# Altium PCB amplifier.PcbDoc (part 1 of 2)
Units mm, origin at the board's own origin, x right, y up, seen from the top; angles counter-clockwise.
Board outline 150 x 200 mm, 2 copper layers (Top Layer, Bottom Layer); 155 components, 78 nets, 357 pads, 31 vias.
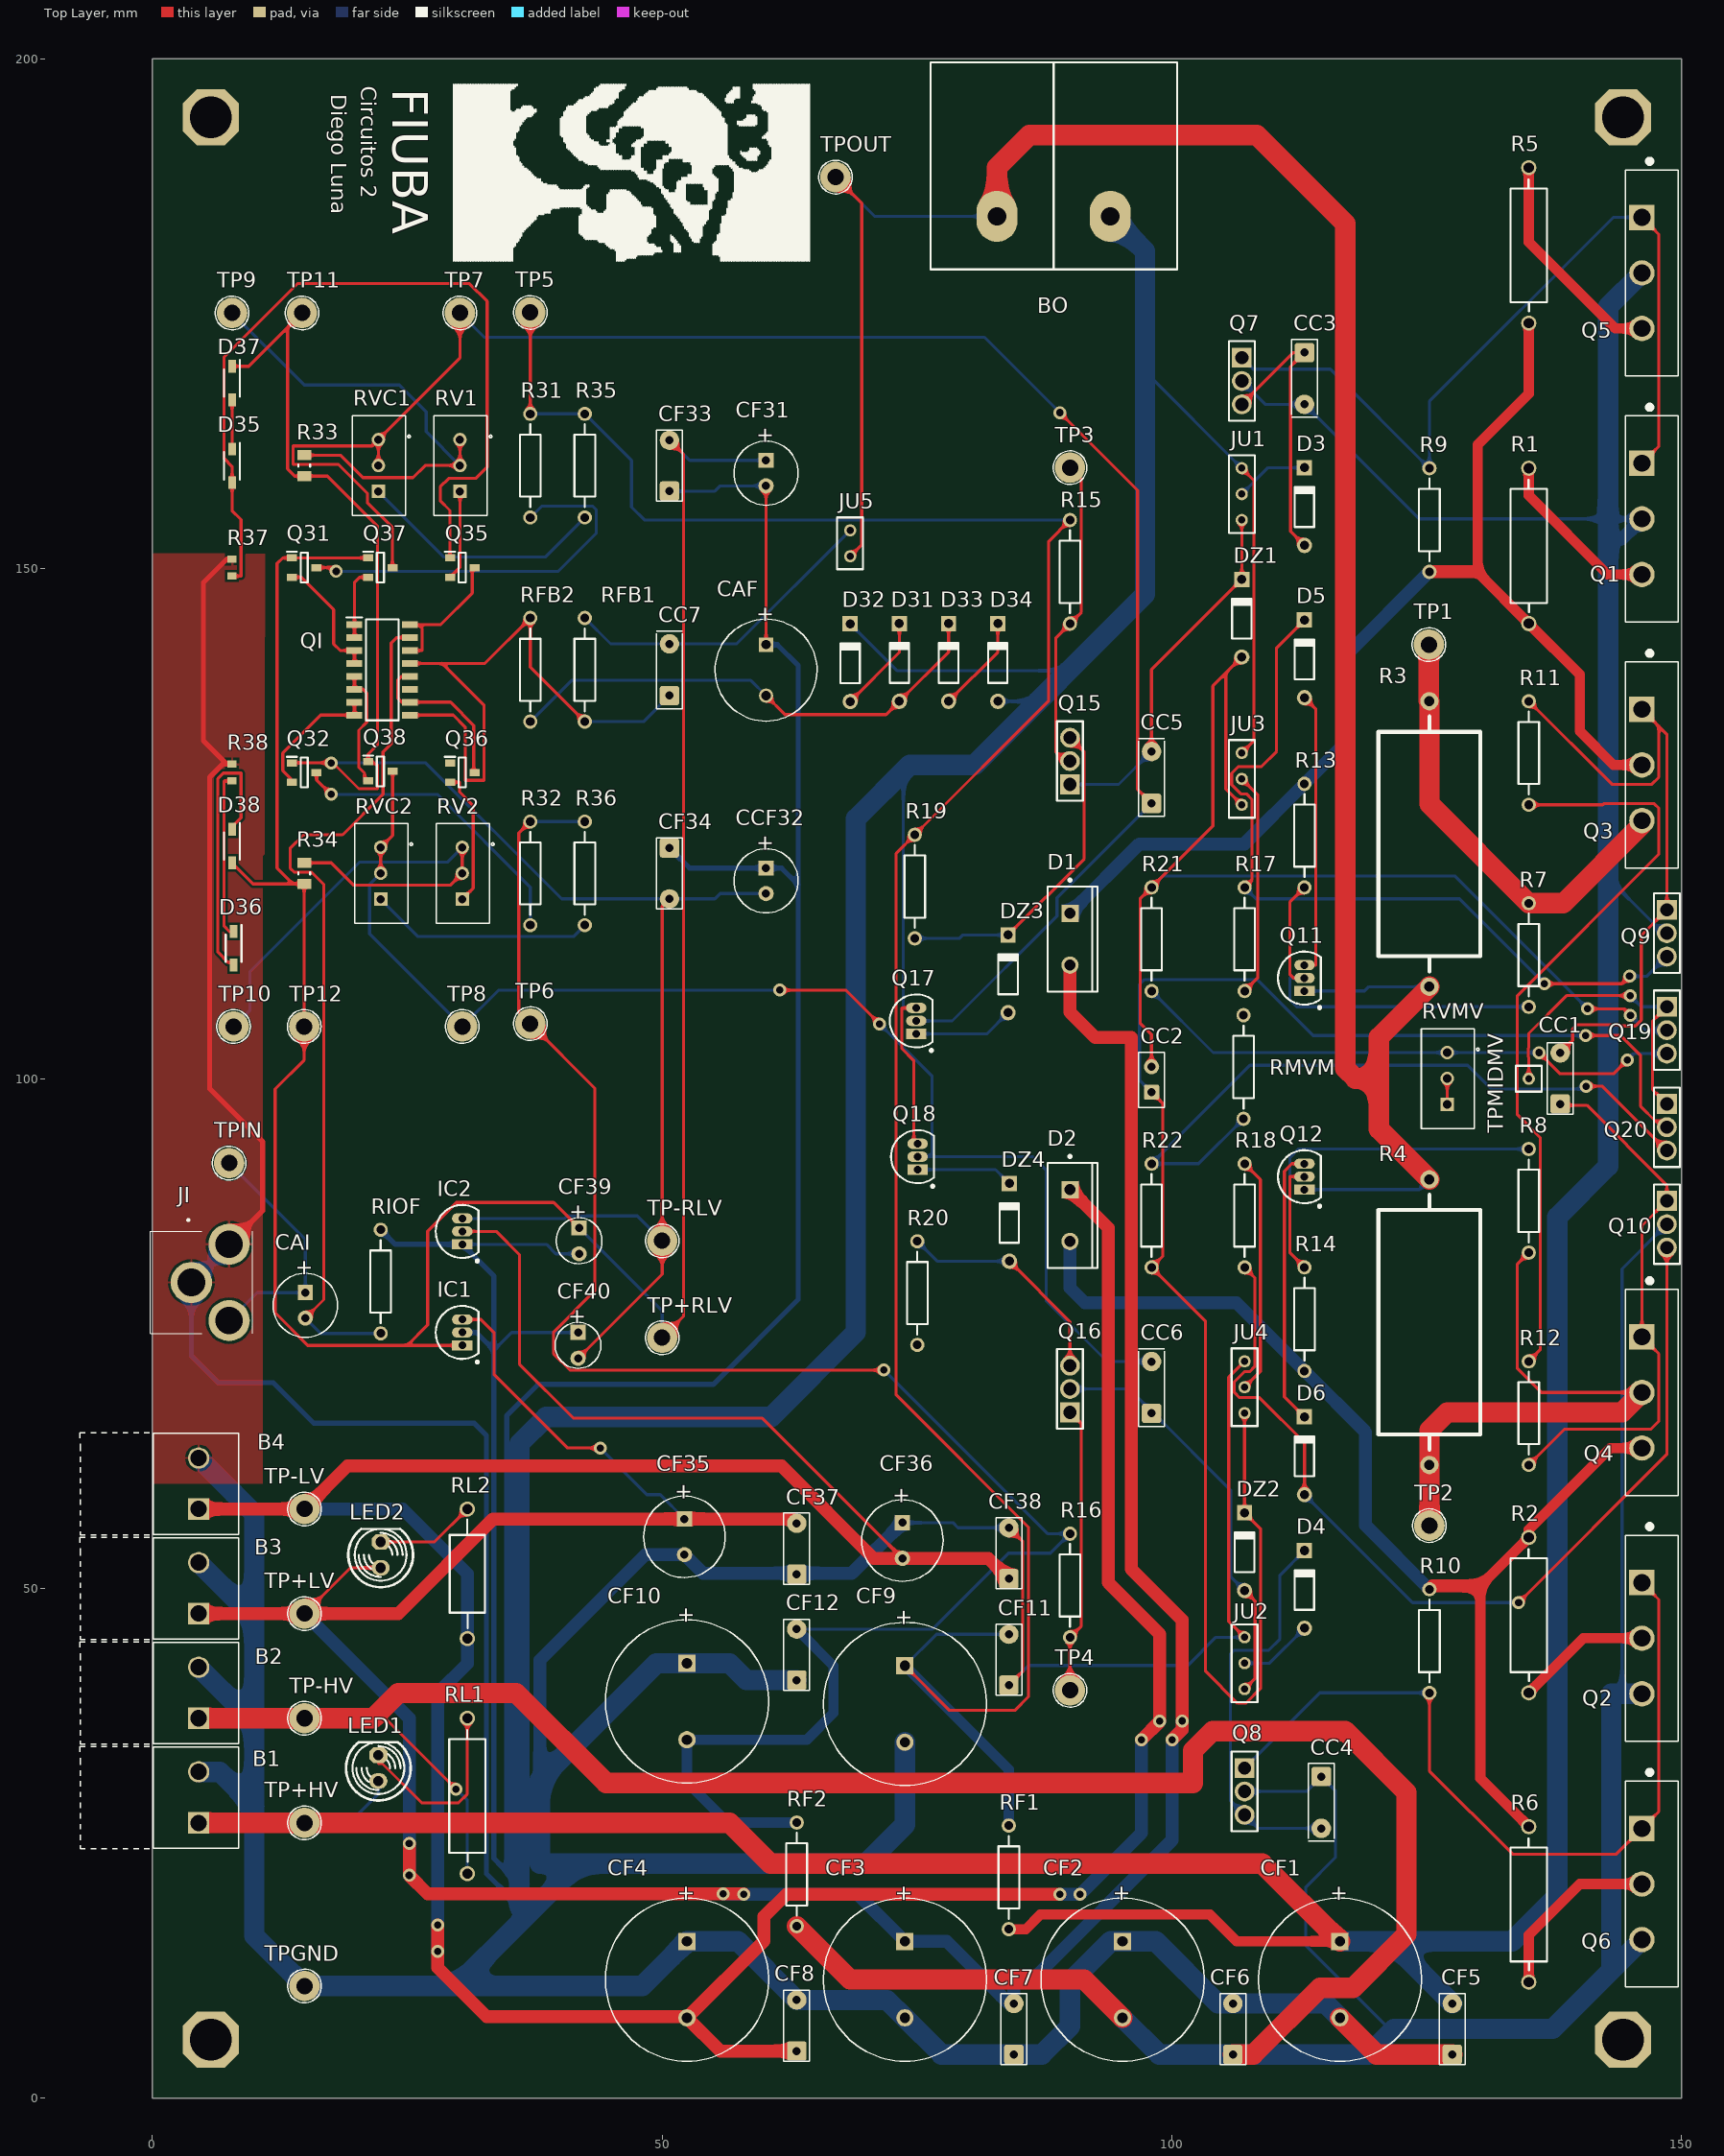
[diagram p0: Top Layer view]
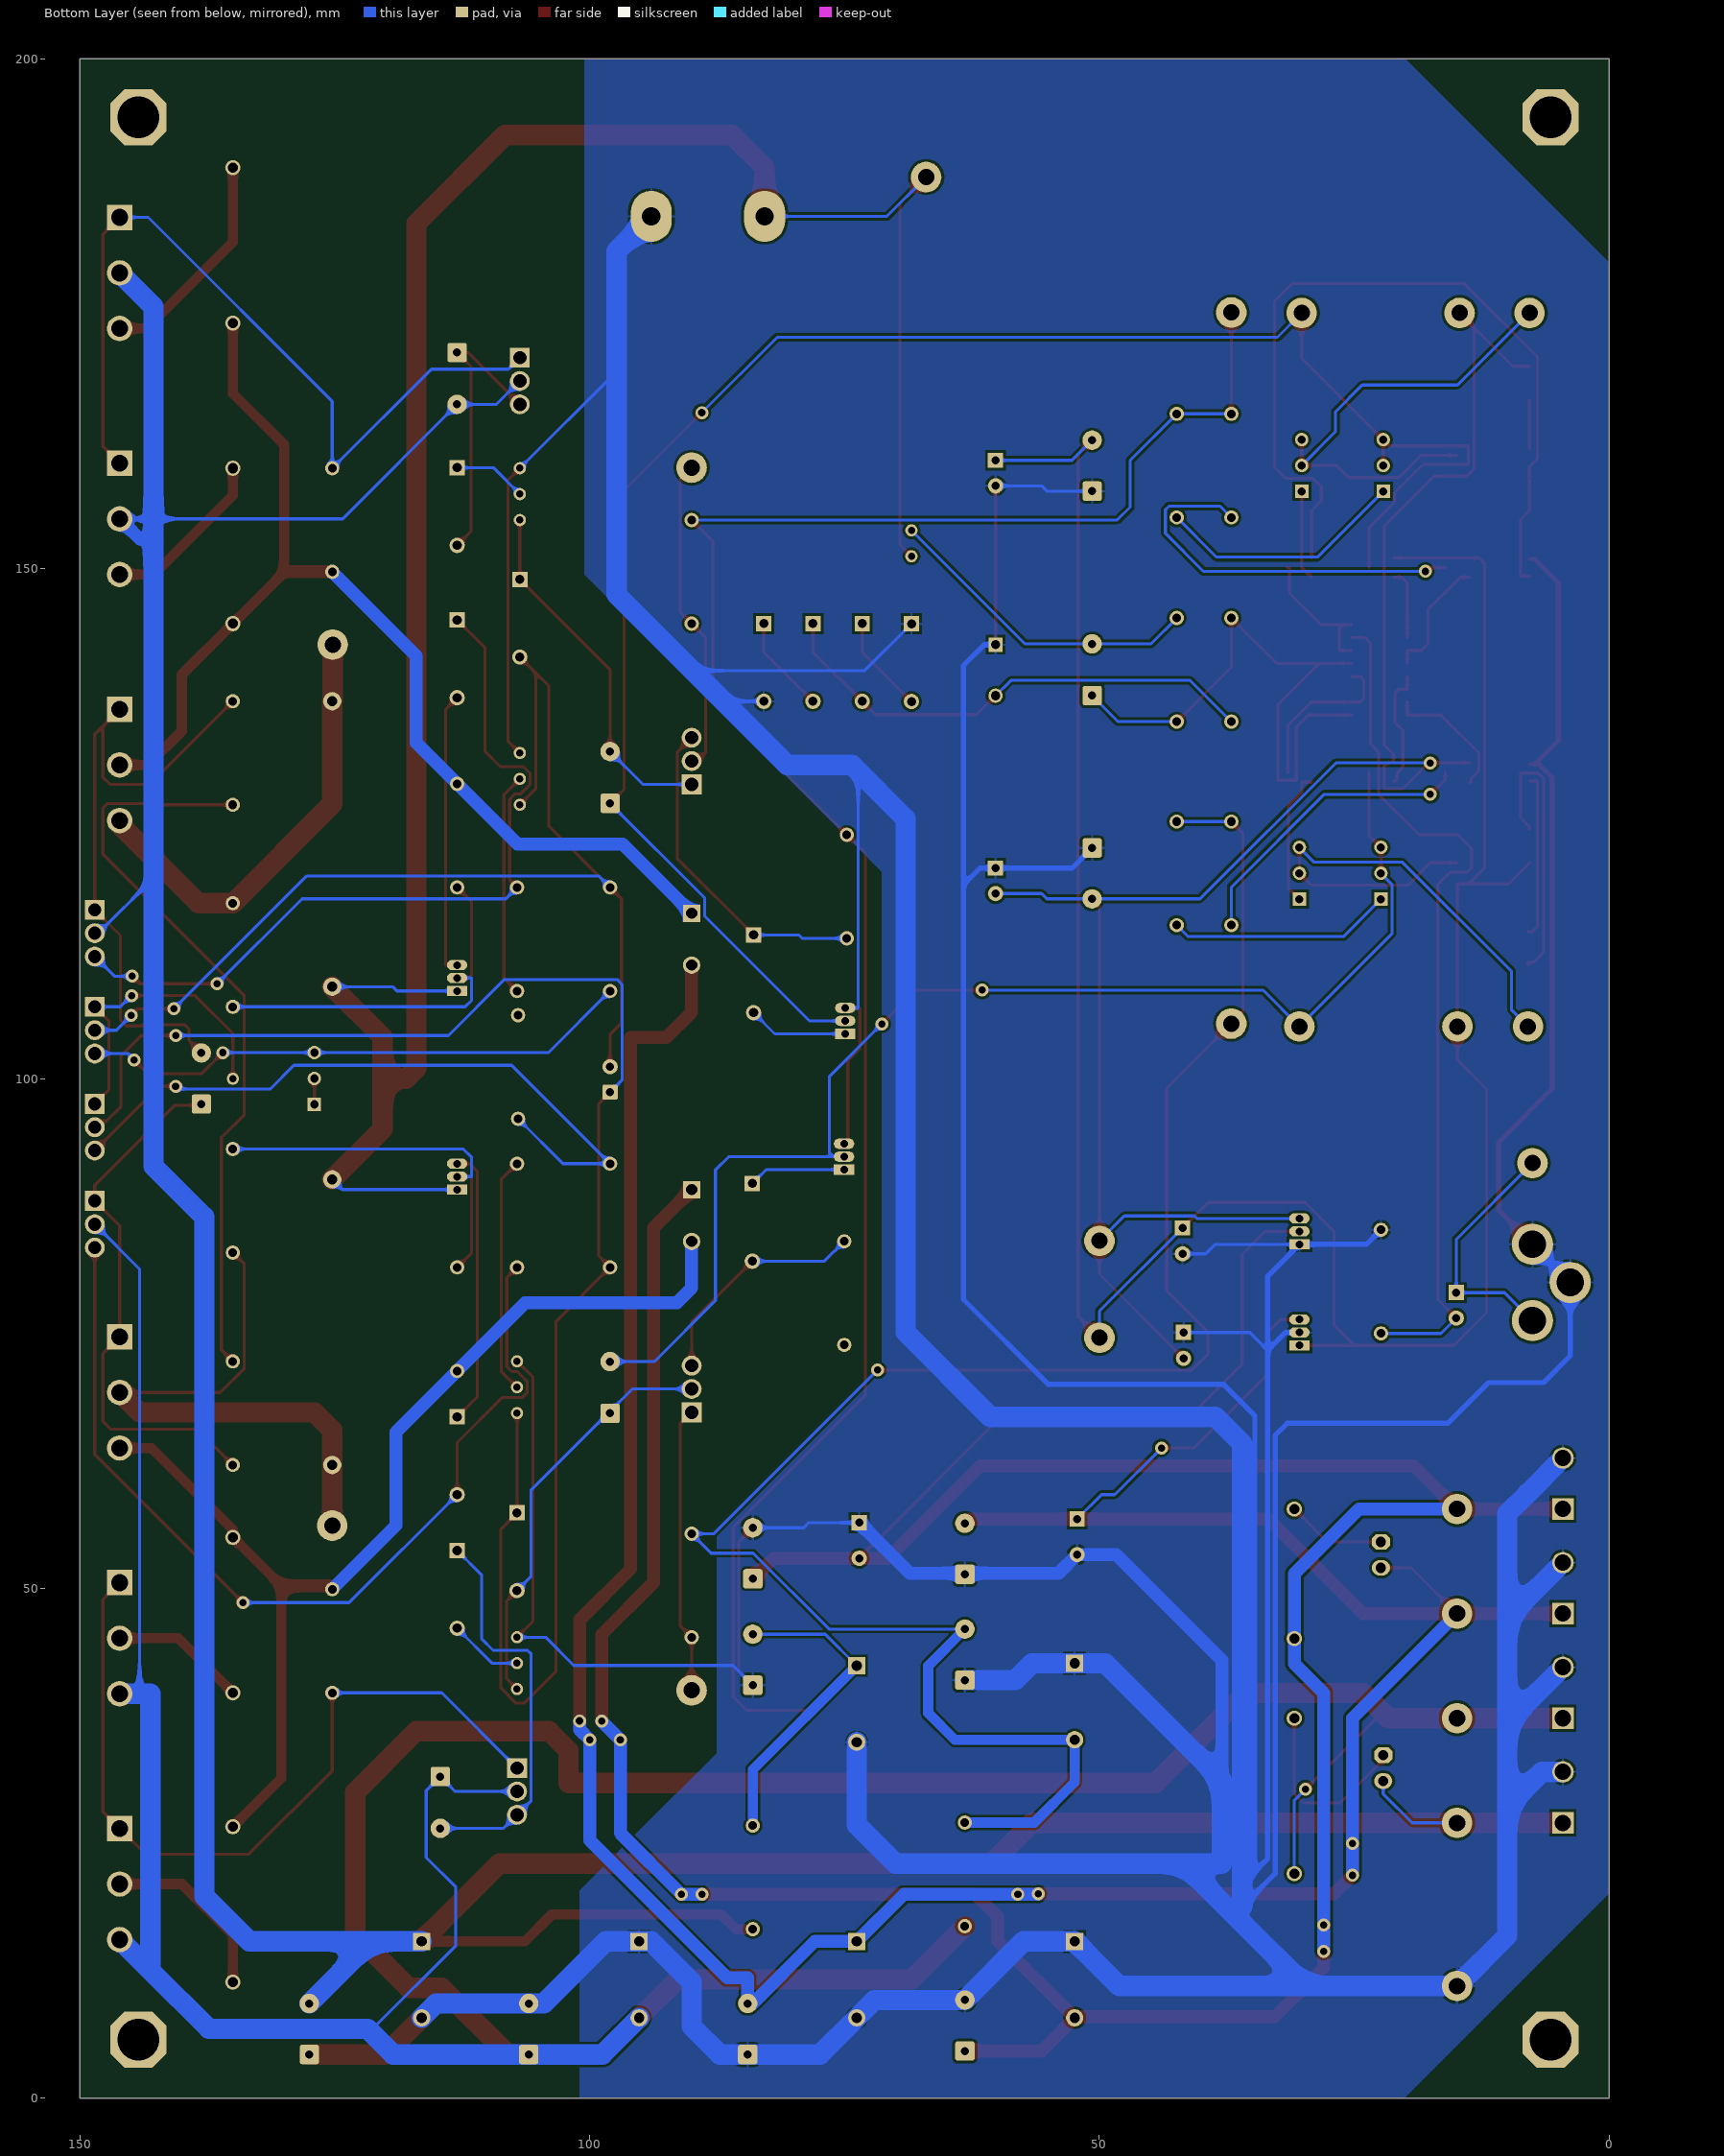
[diagram p1: Bottom Layer view, seen from below]
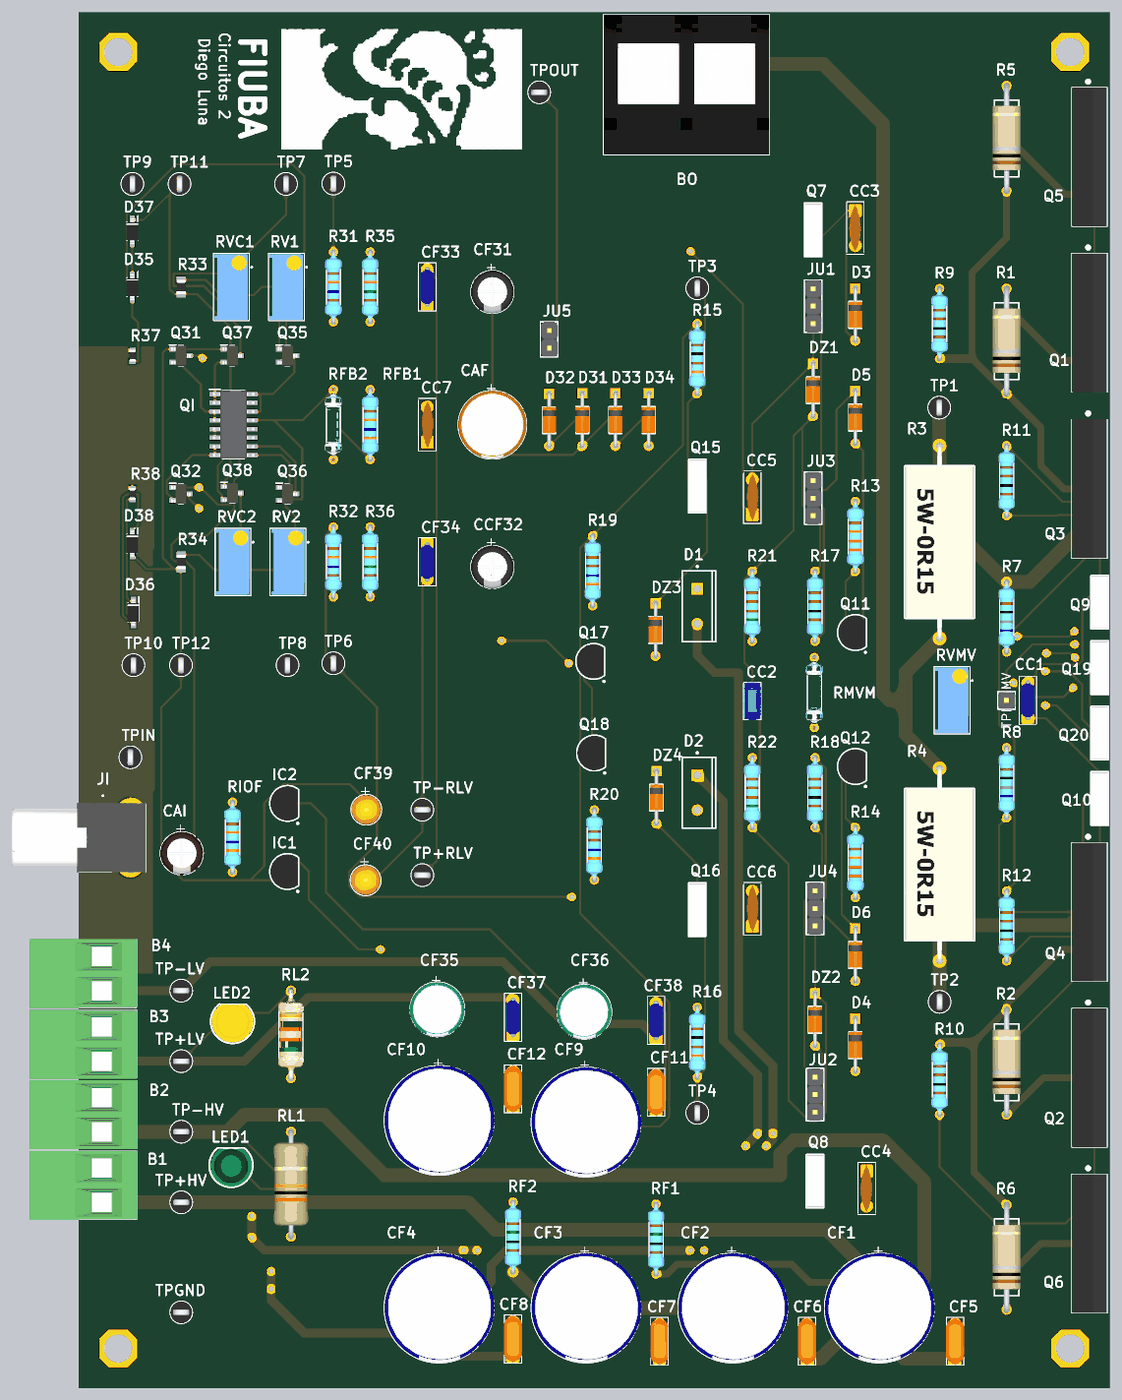
[diagram p3: 3D render of the assembled board from above, using the file's embedded part models]

## Layer stack, top to bottom
Top Solder: solder mask 0.0102, Solder Resist, Dk 3.5
Top Layer: signal copper 0.0356
Dielectric 1: dielectric 0.32, FR-4, Dk 4.8
Bottom Layer: signal copper 0.0356
Bottom Solder: solder mask 0.0102, Solder Resist, Dk 3.5

## Board outline
0,0 0,200 150,200 150,0

## Design rules (kind name [scope] priority, off if disabled: settings)
Clearance [All] p1: gap=0.254 ignorepadtopadclearanceinfootprint=FALSE except(0: Arc-Hole Track-Hole SMDPad-Hole THPad-Hole Via-Hole Fill-Hole Poly-Hole Region-Hole Text-Hole)
Height [All] p1: minheight=0 maxheight=110 prefheight=50
HoleSize HoleSize_Exceptions [InComponent('BO') OR InComponent('JI') OR IsOctagonalPad] p1: absolutevalues=TRUE maxlimit=5 minlimit=0.025 maxpercent=80.000 minpercent=20.000
HoleSize [All] p2: absolutevalues=TRUE maxlimit=2.54 minlimit=0.025 maxpercent=80.000 minpercent=20.000
MinimumSolderMaskSliver MinimumSolderMaskSliver_Exceptions [HasFootprint('TO-92-1') OR HasFootprint('TO-225')] p1: minsoldermaskwidth=0.06
MinimumSolderMaskSliver [All] p2: minsoldermaskwidth=0.254
PolygonConnect [All] p1: connectstyle=Relief reliefconductorwidth=0.254 reliefentries=4 polygonreliefangle="90 Angle" airgapwidth=0.254
RoomDefinition Amplifier [InComponentClass('Amplifier')] p1: confinementstyle=ConfineIn formatcopy=TRUE lockcomponents=FALSE outline -11.15,0 200.675,0 200.675,201.325 -11.15,201.325
RoutingVias [All] p1: holewidth=0.711 width=1.27 viastyle="Through Hole" minholewidth=0.711 minwidth=1.27 maxholewidth=0.711 maxwidth=1.27
SilkToSilkClearance SilkToSilkClearance_Exceptions [OnTopSilkscreen AND IsArc vs OnTopSilkscreen AND IsText AND (StringText = '+')] p1: silktosilkclearance=0.1
SilkToSilkClearance [All] p2: silktosilkclearance=0.254
SilkToSolderMaskClearance SilkToSolderMaskClearance_Exceptions3 [(IsTrack And OnTopSilkscreen) OR (IsPad And OnCopper) vs (IsTrack And OnTopSilkscreen) OR (IsPad And OnCopper)] p1: minsilkscreentomaskgap=0 clearancetoexposedcopper=TRUE
SilkToSolderMaskClearance SilkToSolderMaskClearance_Exceptions2 [HasFootprint('LED_5MM_GREEN') OR HasFootprint('LED_5MM_YELLOW') OR HasFootprint('Tantalum Electrolytic 4.5mmx8.0mmx0.254mm-CLEAN') OR HasFootprint('Cer. pitch 5.0mm height 5.5mm') OR HasFootprint('Cer. pitch 5.08mm height 6.00mm') OR HasFootprint('Cer. pitch 5.0mm height 6.6mm') vs HasFootprint('LED_5MM_GREEN') OR HasFootprint('LED_5MM_YELLOW') OR HasFootprint('Tantalum Electrolytic 4.5mmx8.0mmx0.254mm-CLEAN') OR HasFootprint('Cer. pitch 5.0mm height 5.5mm') OR HasFootprint('Cer. pitch 5.08mm height 6.00mm') OR HasFootprint('Cer. pitch 5.0mm height 6.6mm')] p2: minsilkscreentomaskgap=0 clearancetoexposedcopper=TRUE
SilkToSolderMaskClearance SilkToSolderMaskClearance_Exceptions [HasFootprint('TP-THT-MULTI') vs HasFootprint('TP-THT-MULTI')] p3: minsilkscreentomaskgap=0.08 clearancetoexposedcopper=TRUE
SilkToSolderMaskClearance [IsPad] p4: minsilkscreentomaskgap=0.254 clearancetoexposedcopper=TRUE
SolderMaskExpansion [All] p1: expansion=0.102
Width "L Power route" [(InNet('+LV') OR InNet('-LV') OR InNetClass('L Power route'))] p1 off: maxlimit=3 minlimit=1 preferedwidth=1 minimp=50.000000 maximp=50.000000 favimp=50.000000 // Width of low voltage power
Width "H Output route" [InNetClass('H Out route')] p2 off: maxlimit=5 minlimit=2 preferedwidth=2 minimp=50.000000 maximp=50.000000 favimp=50.000000 // Width of low voltage power
Width "H/2 Output route" [InNetClass('H/2 Out route')] p3 off: maxlimit=2.5 minlimit=1 preferedwidth=1 minimp=50.000000 maximp=50.000000 favimp=50.000000 // Width of low voltage power
Width "H Power route" [(InNet('+HV') OR InNet('-HV') OR InNetClass('H Power route'))] p4 off: maxlimit=5 minlimit=2 preferedwidth=2 minimp=50.000000 maximp=50.000000 favimp=50.000000 // Width of the 12V battery power
Width [All] p5: maxlimit=3 minlimit=0.3 preferedwidth=0.3 minimp=50.000000 maximp=50.000000 favimp=50.000000
25 further rules are at their usual default settings.

## Components (designator, comment, footprint, x,y, rotation, side; value= is the part's Value field where it differs from the comment)
B1 "Bornera +HV" TE-C-282822-2-C-PLUGGED 4.54,29.5 r90 top locked
B2 "Bornera -HV" TE-C-282822-2-C-PLUGGED 4.54,39.76 r90 top locked
B3 "Bornera +LV" TE-C-282822-2-C-PLUGGED 4.54,50.02 r90 top locked
B4 "Bornera -LV" TE-C-282822-2-C-PLUGGED 4.54,60.275 r90 top locked
BO "Bornera de salida a Bafle" "TE 8PCV-02-006" 88.395,188.4 r0 top locked
CAF "Al. Elect. 1000u 16V 20% 105º" "Al. Electrolytic 10.0mmx17.0mmx5.0mm-CLEAN" 60.19,140.046 r270 top locked value=1000µ
CAI "Al. Elect. 47u 35V 20% 105º" "Al. Electrolytic 6.3mmx11.0mmx2.5mm-CLEAN" 15,77.75 r270 top locked value=47µ
CC1 "Cer. 10n 50V 10%" "Cer. pitch 5.0mm height 5.5mm" 138.083,100 r90 top locked value=10n
CC2 "Cer. 6.8n 50V 10%" "Cer. pitch 2.5mm height 5.0mm" 98,99.907 r90 top locked value=6.8n
CC3 "Cer. 68p 50V 10%" "Cer. pitch 5.08mm height 6.00mm" 113,168.65 r270 top locked value=68p
CC4 "Cer. 68p 50V 10%" "Cer. pitch 5.08mm height 6.00mm" 114.65,29 r270 top locked value=68p
CC5 "Cer. 100p 50V 10%" "Cer. pitch 5.08mm height 6.00mm" 98,129.525 r90 top locked value=100p
CC6 "Cer. 100p 50V 10%" "Cer. pitch 5.08mm height 6.00mm" 98,69.7 r90 top locked value=100p
CC7 "Cer. 1.2p 50V 10%" "Cer. pitch 5.08mm height 6.00mm" 50.715,140.086 r90 top locked value=1.2p
CCF32 "Al. Elect. 220u 16V 20% 85º" "Al. Electrolytic 6.3mmx12.0mmx2.5mm-CLEAN" 60.19,119.382 r270 top locked value=220µ
CF1 "Al. Elect. 470u 100V 20% 105º" "Al. Electrolytic 16.0mmx33.0mmx7.5mm-CLEAN" 116.477,11.627 r270 top locked value=470µ
CF2 "Al. Elect. 470u 100V 20% 105º" "Al. Electrolytic 16.0mmx33.0mmx7.5mm-CLEAN" 95.153,11.627 r270 top locked value=470µ
CF3 "Al. Elect. 470u 100V 20% 105º" "Al. Electrolytic 16.0mmx33.0mmx7.5mm-CLEAN" 73.808,11.627 r270 top locked value=470µ
CF4 "Al. Elect. 470u 100V 20% 105º" "Al. Electrolytic 16.0mmx33.0mmx7.5mm-CLEAN" 52.433,11.627 r270 top locked value=470µ
CF5 "Poly. 100n 100V 10%" "Cer. pitch 5.0mm height 6.6mm" 127.5,6.787 r90 top locked value=100n
CF6 "Poly. 100n 100V 10%" "Cer. pitch 5.0mm height 6.6mm" 105.977,6.787 r90 top locked value=100n
CF7 "Poly. 100n 100V 10%" "Cer. pitch 5.0mm height 6.6mm" 84.5,6.787 r90 top locked value=100n
CF8 "Poly. 100n 100V 10%" "Cer. pitch 5.0mm height 6.6mm" 63.2,7.127 r90 top locked value=100n
CF9 "Al. Elect. 470u 100V 20% 105º" "Al. Electrolytic 16.0mmx33.0mmx7.5mm-CLEAN" 73.808,38.66 r270 top locked value=470µ
CF10 "Al. Elect. 470u 100V 20% 105º" "Al. Electrolytic 16.0mmx33.0mmx7.5mm-CLEAN" 52.433,38.9 r270 top locked value=470µ
CF11 "Poly. 100n 100V 10%" "Cer. pitch 5.0mm height 6.6mm" 84,43 r90 top locked value=100n
CF12 "Poly. 100n 100V 10%" "Cer. pitch 5.0mm height 6.6mm" 63.2,43.5 r90 top locked value=100n
CF31 "Al. Elect. 220u 16V 20% 85º" "Al. Electrolytic 6.3mmx12.0mmx2.5mm-CLEAN" 60.19,159.37 r270 top locked value=220µ
CF33 "Cer. 100n 50V 10%" "Cer. pitch 5.0mm height 5.5mm" 50.715,160.102 r90 top locked value=100n
CF34 "Cer. 100n 50V 10%" "Cer. pitch 5.0mm height 5.5mm" 50.715,120.114 r270 top locked value=100n
CF35 "Al. Elect. 220u 35V 20% 105º" "Al. Electrolytic 8.0mmx13.0mmx3.5mm-CLEAN" 52.189,55.055 r270 top locked value=220µ
CF36 "Al. Elect. 220u 35V 20% 105º" "Al. Electrolytic 8.0mmx13.0mmx3.5mm-CLEAN" 73.564,54.69 r270 top locked value=220µ
CF37 "Cer. 100n 50V 10%" "Cer. pitch 5.0mm height 5.5mm" 63.2,53.88 r90 top locked value=100n
CF38 "Cer. 100n 50V 10%" "Cer. pitch 5.0mm height 5.5mm" 84,53.44 r90 top locked value=100n
CF39 "Tant. Elect. 1u 25V 10%" "Tantalum Electrolytic 4.5mmx8.0mmx0.254mm-CLEAN" 41.85,84.075 r270 top locked value=1µ
CF40 "Tant. Elect. 1u 25V 10%" "Tantalum Electrolytic 4.5mmx8.0mmx0.254mm-CLEAN" 41.75,73.825 r270 top locked value=1µ
D1 "MBR1645" ONSC-TO-220-2-221B-04 90,113.66 r0 top locked
D2 "MBR1645" ONSC-TO-220-2-221B-04 90,86.56 r0 top locked
D3 "1N4148" DO-35-0.3mil 113,152.28 r90 top locked
D4 "1N4148" DO-35-0.3mil 113,46.085 r90 top locked
D5 "" DO-35-0.3mil 113,137.345 r90 top locked
D6 "" DO-35-0.3mil 113,59.19 r90 top locked
D31 "" DO-35-0.3mil 73.267,136.99 r90 top locked
D32 "" DO-35-0.3mil 68.44,136.968 r90 top locked
D33 "" DO-35-0.3mil 78.094,136.99 r90 top locked
D34 "" DO-35-0.3mil 82.921,136.99 r90 top locked
D35 "1N4148W" SOD-123 7.815,160.075 r270 top locked
D36 "1N4148W" SOD-123 7.965,112.77 r270 top locked
D37 "1N4148W" SOD-123 7.815,168.2 r270 top locked
D38 "1N4148W" SOD-123 7.815,122.791 r270 top locked
DZ1 "1N4371A" DO-35-0.3mil 106.85,141.33 r90 top locked
DZ2 "1N4371A" DO-35-0.3mil 107.125,49.78 r90 top locked
DZ3 "1N969B" DO-35-0.3mil 83.925,106.455 r90 top locked
DZ4 "1N969B" DO-35-0.3mil 84.05,82.08 r90 top locked
IC1 "LM78L05" TO-92-1 30.39,75.095 r0 top locked
IC2 "LM79L05" TO-92-1 30.39,85.004 r0 top locked
JI "Jack RCA de entrada de audio" *SWITCHCRAFT_PJRAN1X1U01X 3.825,80 r270 top locked
JU1 "Jumper_3pin" "Jumper 200mil 3 pin" 106.85,157.31 r90 top locked
JU2 "Jumper_3pin" "Jumper 200mil 3 pin" 107.125,42.66 r90 top locked
JU3 "Jumper_3pin" "Jumper 200mil 3 pin" 106.85,129.38 r90 top locked
JU4 "Jumper_3pin" "Jumper 200mil 3 pin" 107.125,69.72 r90 top locked
JU5 "Jumper" "Jumper 200mil 2 pin" 68.44,151.212 r270 top locked
LED1 "Alta tensión" LED_5MM_GREEN 22.165,32.37 r90 top locked
LED2 "Baja tensión" LED_5MM_YELLOW 22.39,53.28 r90 top locked
Q1 "2SC5200" TO-264-3 146.1,154.875 r270 top locked
Q2 "2SA1943" TO-264-3 146.1,45.105 r270 top locked
Q3 "2SC5200" TO-264-3 146.1,130.75 r270 top locked
Q4 "2SA1943" TO-264-3 146.1,69.21 r270 top locked
Q5 "2SC5200" TO-264-3 146.1,179 r270 top locked
Q6 "2SA1943" TO-264-3 146.1,21 r270 top locked
Q7 "MJE340G" TO-225 106.85,170.69 r270 top locked
Q8 "MJE350G" TO-225 107.125,32.37 r270 top locked
Q9 "MJE340G" TO-225 148.54,116.54 r270 top locked
Q10 "MJE350G" TO-225 148.54,88 r270 top locked
Q11 "MPSA42" TO-92-1 113,109.85 r0 top locked
Q12 "MPSA92" TO-92-1 113,90.37 r0 top locked
Q15 "MJE340G" TO-225 90,128.84 r90 top locked
Q16 "MJE340G" TO-225 90,67.26 r90 top locked
Q17 "MPSA92" TO-92-1 74.925,105.65 r0 top locked
Q18 "MPSA42" TO-92-1 75.05,92.33 r0 top locked
Q19 "MJE340G" TO-225 148.54,107.027 r270 top locked
Q20 "MJE350G" TO-225 148.54,97.513 r270 top locked
Q31 "MMBTA42" SOT-23 14.89,150.102 r0 top locked
Q32 "MMBTA92" SOT-23 14.89,130.002 r0 top locked
Q35 "MMBTA42" SOT-23 30.395,150.102 r0 top locked
Q36 "MMBTA92" SOT-23 30.395,130.002 r0 top locked
Q37 "MMBTA42" SOT-23 22.365,150.102 r0 top locked
Q38 "MMBTA92" SOT-23 22.365,130.125 r0 top locked
QI "MMPQ6700 (Q39)" SOIC-16L 22.54,140.077 r0 top locked
R1 "Resistor 0.1 2W 5%" AXIAL-0.6-E24-2W-0.1 135,152.23 r90 top locked value=0.1
R2 "Resistor 0.1 2W 5%" AXIAL-0.6-E24-2W-0.1 135,47.37 r90 top locked value=0.1
R3 "Cemented resistor 0.15 5W 5%" "Cemented resistor 0.15 5W 5%" 125.25,123 r270 top locked value=0.15
R4 "Cemented resistor 0.15 5W 5%" "Cemented resistor 0.15 5W 5%" 125.25,76.1 r270 top locked value=0.15
R5 "Resistor 0.1 2W 5%" AXIAL-0.6-E24-2W-0.1 135,181.7 r90 top locked value=0.1
R6 "Resistor 0.1 2W 5%" AXIAL-0.6-E24-2W-0.1 135,19 r90 top locked value=0.1
R7 "Resistor 68 1/4W 1%" AXIAL-0.4-E24-0_25W-68-1% 135,112.107 r90 top locked value=68O
R8 "Resistor 68 1/4W 1%" AXIAL-0.4-E24-0_25W-68-1% 135,88 r90 top locked value=68O
R9 "Resistor 100 1/4W 1%" AXIAL-0.4-E24-0_25W-100-1% 125.25,154.77 r90 top locked value=100
R10 "Resistor 100 1/4W 1%" AXIAL-0.4-E24-0_25W-100-1% 125.25,44.83 r90 top locked value=100
R11 "Resistor 100 1/4W 1%" AXIAL-0.4-E24-0_25W-100-1% 135,131.92 r90 top locked value=100
R12 "Resistor 100 1/4W 1%" AXIAL-0.4-E24-0_25W-100-1% 135,67.18 r90 top locked value=100
R13 "Resistor 22K 1/4W 1%" AXIAL-0.4-E24-0_25W-22k-1% 113,123.82 r90 top locked value=22K
R14 "Resistor 22K 1/4W 1%" AXIAL-0.4-E24-0_25W-22k-1% 113,76.4 r90 top locked value=22K
R15 "Resistor 30 1/4W 1%" AXIAL-0.4-E24-0_25W-30-1% 90,149.69 r90 top locked value=30
R16 "Resistor 30 1/4W 1%" AXIAL-0.4-E24-0_25W-30-1% 90,50.28 r90 top locked value=30
R17 "Resistor 100 1/4W 1%" AXIAL-0.4-E24-0_25W-100-1% 107.125,113.66 r90 top locked value=100
R18 "Resistor 100 1/4W 1%" AXIAL-0.4-E24-0_25W-100-1% 107.125,86.56 r90 top locked value=100
R19 "Resistor 360 1/4W 1%" AXIAL-0.4-E24-0_25W-360-1% 74.775,118.825 r90 top locked value=360
R20 "Resistor 360 1/4W 1%" AXIAL-0.4-E24-0_25W-360-1% 75.025,78.95 r90 top locked value=360
R21 "Resistor 510 1/4W 1%" AXIAL-0.4-E24-0_25W-510-1% 98,113.66 r90 top locked value=510
R22 "Resistor 510 1/4W 1%" AXIAL-0.4-E24-0_25W-510-1% 98,86.56 r90 top locked value=510
R31 "Resistor 16K 1/4W 1%" AXIAL-0.4-E24-0_25W-16k-1% 37.065,160.102 r90 top locked value=16K
R32 "Resistor 16K 1/4W 1%" AXIAL-0.4-E24-0_25W-16k-1% 37.065,120.114 r90 top locked value=16K
R33 "150R" RES_SM0805_YAGEORC_N 14.89,160.102 r90 top locked
R34 "150R" RES_SM0805_YAGEORC_N 14.89,120.114 r90 top locked
R35 "Resistor 15K 1/4W 1%" AXIAL-0.4-E24-0_25W-15k-1% 42.415,160.102 r90 top locked value=15K
R36 "Resistor 15K 1/4W 1%" AXIAL-0.4-E24-0_25W-15k-1% 42.415,120.114 r90 top locked value=15K
R37 "1K2" RES_SM0603_YAGEORC_N 7.815,150.102 r90 top locked
R38 "1K2" RES_SM0603_YAGEORC_N 7.815,130.002 r90 top locked
RF1 "Resistor 15 1/4W 1%" AXIAL-0.4-E24-0_25W-15-1% 84,21.651 r270 top locked value=15
RF2 "Resistor 15 1/4W 1%" AXIAL-0.4-E24-0_25W-15-1% 63.2,21.952 r270 top locked value=15
RFB1 "Resistor 36K 1/4W 1%" AXIAL-0.4-E24-0_25W-36k-1% 42.415,140.077 r90 top locked value=36K
RFB2 "Resistor 1.3k 1/4W 1%" AXIAL-0.4-E24-0_25W-1.3k-1% 37.065,140.077 r90 top locked value=1.3k
RIOF "Resistor 36K 1/4W 1%" AXIAL-0.4-E24-0_25W-36k-1% 22.39,80.082 r90 top locked value=36K
RL1 "Resistor 20K 1W 5%" AXIAL-0.6-E24-1W-20K 30.89,29.64 r90 top locked value=20K
RL2 "Resistor 5.6K 1/2W 5%" AXIAL-0.5-E24-0_5W-5.6K 30.89,51.425 r90 top locked value=5.6K
RMVM "Resistor 1.2k 1/4W 1%" AXIAL-0.4-E24-0_25W-1.2k-1% 107.025,101.125 r90 top locked value=1.2k
RV1 "Trimmer Vertical 100 500mW 25-turn" POT_3296W 30.165,160.089 r90 top locked value=100
RV2 "Trimmer Vertical 100 500mW 25-turn" POT_3296W 30.39,120.101 r90 top locked value=100
RVC1 "Trimmer Vertical 2K 500mW 25-turn" POT_3296W 22.165,160.089 r90 top locked value=2k
RVC2 "Trimmer Vertical 2K 500mW 25-turn" POT_3296W 22.39,120.101 r90 top locked value=2k
RVMV "Trimmer Vertical 1K 500mW 25-turn" POT_3296W 127,99.975 r90 top locked value=1k
TP1 "TESTPOINT_THT" TP-THT-MULTI 125.2,142.55 r0 top locked
TP2 "TESTPOINT_THT" TP-THT-MULTI 125.25,56.15 r0 top locked
TP3 "TESTPOINT_THT" TP-THT-MULTI 90,159.9 r0 top locked
TP4 "TESTPOINT_THT" TP-THT-MULTI 90,40 r0 top locked
TP5 "TESTPOINT_THT" TP-THT-MULTI 37.065,175.127 r0 top locked
TP6 "TESTPOINT_THT" TP-THT-MULTI 37.065,105.377 r0 top locked
TP7 "TESTPOINT_THT" TP-THT-MULTI 30.165,175.077 r0 top locked
TP8 "TESTPOINT_THT" TP-THT-MULTI 30.39,105.102 r0 top locked
TP9 "TESTPOINT_THT" TP-THT-MULTI 7.815,175.077 r0 top locked
TP10 "TESTPOINT_THT" TP-THT-MULTI 7.965,105.102 r0 top locked
TP11 "TESTPOINT_THT" TP-THT-MULTI 14.675,175.077 r0 top locked
TP12 "TESTPOINT_THT" TP-THT-MULTI 14.89,105.102 r0 top locked
TP+HV "TESTPOINT_THT" TP-THT-MULTI 14.925,27 r90 top locked
TP+LV "TESTPOINT_THT" TP-THT-MULTI 14.925,47.52 r90 top locked
TP+RLV "TESTPOINT_THT" TP-THT-MULTI 50,74.573 r90 top locked
TP-HV "TESTPOINT_THT" TP-THT-MULTI 14.925,37.26 r90 top locked
TP-LV "TESTPOINT_THT" TP-THT-MULTI 14.925,57.775 r90 top locked
TP-RLV "TESTPOINT_THT" TP-THT-MULTI 50,84.075 r90 top locked
TPGND "TESTPOINT_THT" TP-THT-MULTI 14.925,11 r90 top locked
TPIN "TESTPOINT_THT" TP-THT-MULTI 7.525,91.7 r0 top locked
TPMIDMV "Pin" "Jumper 200mil 1 pin" 135,99.975 r90 top locked
TPOUT "TESTPOINT_THT" TP-THT-MULTI 67,188.4 r90 top locked
? "Comment" "FIUBA LOGO" 43.625,188.45 r270 top

## Footprints (in the part's own frame and the unit in brackets; to place one, negate y for a bottom-side part, rotate by r counter-clockwise, add the part's x,y. Pads: shape width x height; smd on the part's side, far side on the other; paste and mask are expansions set on the pad)
*SWITCHCRAFT_PJRAN1X1U01X [mm]
  round 4.039 hole 2.693: 1(0,0) 2(-3.75,3.7) 3(3.75,3.7)
  silkscreen extent -6.21,-4 5,6, body extent -5.05,-13.56 5,5.94, height 13
"Al. Electrolytic 6.3mmx11.0mmx2.5mm-CLEAN" [mm] "Polarized capacitors, Aluminum Electrolytic Capacitors, 2-Leads, Body 6.3mmx11.0mmx2.5mm"
  rect 1.5x1.5 hole 0.8: 1(-1.25,0)
  round 1.5 hole 0.8: 2(1.25,0)
  silkscreen extent -3.15,-3.15 3.15,3.15, body extent -3.15,-3.15 3.15,3.15, height 10.9
"Al. Electrolytic 6.3mmx12.0mmx2.5mm-CLEAN" [mm] "Polarized capacitors, Aluminum Electrolytic Capacitors, 2-Leads, Body 6.3mmx12.0mmx2.5mm"
  rect 1.5x1.5 hole 0.8: 1(-1.25,0)
  round 1.5 hole 0.8: 2(1.25,0)
  silkscreen extent -3.15,-3.15 3.15,3.15, body extent -3.15,-3.15 3.15,3.15, height 11.9
"Al. Electrolytic 8.0mmx13.0mmx3.5mm-CLEAN" [mm] "Polarized capacitors, Aluminum Electrolytic Capacitors, 2-Leads, Body 8.0mmx13.0mmx3.5mm"
  rect 1.5x1.5 hole 0.8: 1(-1.75,0)
  round 1.5 hole 0.8: 2(1.75,0)
  silkscreen extent -4,-4 4,4, body extent -11.13,-11.84 11.93,12.34, height 17.08
"Al. Electrolytic 10.0mmx17.0mmx5.0mm-CLEAN" [mm] "Polarized capacitors, Aluminum Electrolytic Capacitors, 2-Leads, Body 10.0mmx17.0mmx5.0mm"
  rect 1.4x1.4 hole 0.9: 1(-2.5,0)
  round 1.4 hole 0.9: 2(2.5,0)
  silkscreen extent -5,-5 5,5, body extent -5.01,-5 5,5, height 16.96
"Al. Electrolytic 16.0mmx33.0mmx7.5mm-CLEAN" [mm] "Polarized capacitors, Aluminum Electrolytic Capacitors, 2-Leads, Body 16.0mmx33.0mmx7.5mm"
  rect 1.7x1.7 hole 1: 1(-3.75,0)
  round 1.7 hole 1: 2(3.75,0)
  silkscreen extent -8,-8 8,8, body extent -8.03,-7.93 7.98,8.07, height 33.01
AXIAL-0.4-E24-0_25W-1.2k-1% [mm] "Axial Device, Thru-Hole; 2 Leads; 0.4 in Pin Spacing"
  round 1.4 hole 0.85: 1(-5.08,0) 2(5.08,0)
  silkscreen extent -4.06,-1.02 4.06,1.02, body extent -5.38,-1.2 5.38,1.2, height 2.41
AXIAL-0.4-E24-0_25W-1.3k-1% [mm] "Axial Device, Thru-Hole; 2 Leads; 0.4 in Pin Spacing"
  round 1.4 hole 0.85: 1(-5.08,0) 2(5.08,0)
  silkscreen extent -4.06,-1.02 4.06,1.02, body extent -5.38,-1.2 5.38,1.2, height 2.41
AXIAL-0.4-E24-0_25W-15-1% [mm] "Axial Device, Thru-Hole; 2 Leads; 0.4 in Pin Spacing"
  round 1.4 hole 0.85: 1(-5.08,0) 2(5.08,0)
  silkscreen extent -4.06,-1.02 4.06,1.02, body extent -5.38,-1.2 5.38,1.2, height 2.41
AXIAL-0.4-E24-0_25W-15k-1% [mm] "Axial Device, Thru-Hole; 2 Leads; 0.4 in Pin Spacing"
  round 1.4 hole 0.85: 1(-5.08,0) 2(5.08,0)
  silkscreen extent -4.06,-1.02 4.06,1.02, body extent -5.38,-1.2 5.38,1.2, height 2.41
AXIAL-0.4-E24-0_25W-16k-1% [mm] "Axial Device, Thru-Hole; 2 Leads; 0.4 in Pin Spacing"
  round 1.4 hole 0.85: 1(-5.08,0) 2(5.08,0)
  silkscreen extent -4.06,-1.02 4.06,1.02, body extent -5.38,-1.2 5.38,1.2, height 2.41
AXIAL-0.4-E24-0_25W-22k-1% [mm] "Axial Device, Thru-Hole; 2 Leads; 0.4 in Pin Spacing"
  round 1.4 hole 0.85: 1(-5.08,0) 2(5.08,0)
  silkscreen extent -4.06,-1.02 4.06,1.02, body extent -5.38,-1.2 5.38,1.2, height 2.41
AXIAL-0.4-E24-0_25W-30-1% [mm] "Axial Device, Thru-Hole; 2 Leads; 0.4 in Pin Spacing"
  round 1.4 hole 0.85: 1(-5.08,0) 2(5.08,0)
  silkscreen extent -4.06,-1.02 4.06,1.02, body extent -5.38,-1.2 5.38,1.2, height 2.41
AXIAL-0.4-E24-0_25W-36k-1% [mm] "Axial Device, Thru-Hole; 2 Leads; 0.4 in Pin Spacing"
  round 1.4 hole 0.85: 1(-5.08,0) 2(5.08,0)
  silkscreen extent -4.06,-1.02 4.06,1.02, body extent -5.38,-1.2 5.38,1.2, height 2.41
AXIAL-0.4-E24-0_25W-68-1% [mm] "Axial Device, Thru-Hole; 2 Leads; 0.4 in Pin Spacing"
  round 1.4 hole 0.85: 1(-5.08,0) 2(5.08,0)
  silkscreen extent -4.06,-1.02 4.06,1.02, body extent -5.38,-1.2 5.38,1.2, height 2.41
AXIAL-0.4-E24-0_25W-100-1% [mm] "Axial Device, Thru-Hole; 2 Leads; 0.4 in Pin Spacing"
  round 1.4 hole 0.85: 1(-5.08,0) 2(5.08,0)
  silkscreen extent -4.06,-1.02 4.06,1.02, body extent -5.38,-1.2 5.38,1.2, height 2.41
AXIAL-0.4-E24-0_25W-360-1% [mm] "Axial Device, Thru-Hole; 2 Leads; 0.4 in Pin Spacing"
  round 1.4 hole 0.85: 1(-5.08,0) 2(5.08,0)
  silkscreen extent -4.06,-1.02 4.06,1.02, body extent -5.38,-1.2 5.38,1.2, height 2.41
AXIAL-0.4-E24-0_25W-510-1% [mm] "Axial Device, Thru-Hole; 2 Leads; 0.4 in Pin Spacing"
  round 1.4 hole 0.85: 1(-5.08,0) 2(5.08,0)
  silkscreen extent -4.06,-1.02 4.06,1.02, body extent -5.38,-1.2 5.38,1.2, height 2.41
AXIAL-0.5-E24-0_5W-5.6K [mm] "Axial Device, Thru-Hole; 2 Leads; 0.5 in Pin Spacing"
  round 1.5 hole 1: 1(-6.35,0) 2(6.35,0)
  silkscreen extent -5.33,-1.73 5.33,1.73, body extent -6.73,-1.87 6.73,1.87, height 4.3
AXIAL-0.6-E24-1W-20K [mm] "Axial Device, Thru-Hole; 2 Leads; 0.6 in Pin Spacing"
  round 1.5 hole 1: 1(-7.62,0) 2(7.62,0)
  silkscreen extent -6.48,-1.78 6.48,1.78, body extent -7.97,-2.5 7.97,2.5, height 5.5
AXIAL-0.6-E24-2W-0.1 [mm] "Axial Device, Thru-Hole; 2 Leads; 0.6 in Pin Spacing"
  round 1.5 hole 1: 1(-7.62,0) 2(7.62,0)
  silkscreen extent -6.48,-1.78 6.48,1.78, body extent -8.02,-2 8.02,2, height 4.5
"Cemented resistor 0.15 5W 5%" [mm] "Cemented resistor 0.15O 5% 5W"
  round 1.8 / inner round 1.4 / far side round 1.8 hole 1: 1(-14,0) 2(14,0)
  silkscreen extent -12.5,-5 12.5,5, body extent -14.35,-5 14.35,5, height 11
"Cer. pitch 2.5mm height 5.0mm" [mm] "Radial ceramic capacitor pitch 2.5mm height 5.0mm"
  round 0.508 on Mech15: 0(0,0)
  rrect25% 1.5x1.5 hole 0.8: 1(-1.25,0)
  round 1.5 hole 0.8: 2(1.25,0)
  silkscreen extent -2.75,-1.27 2.68,1.27, body extent -2.78,-1.25 2.73,1.25, height 5.5
"Cer. pitch 5.0mm height 5.5mm" [mm] "Radial ceramic capacitor pitch 5.0mm height 5.5mm"
  round 0.508 on Mech15: 0(0,0)
  rrect25% 1.905x1.905 hole 0.8: 1(-2.5,0)
  round 1.905 hole 0.8: 2(2.5,0)
  silkscreen extent -3.5,-1.27 3.5,1.27, body extent -2.8,-1 2.8,1, height 5.47
"Cer. pitch 5.0mm height 6.6mm" [mm] "Radial ceramic capacitor pitch 5.0mm height 6.6mm"
  round 0.508 on Mech15: 0(0,0)
  rrect25% 1.905x1.905 hole 0.8: 1(-2.5,0)
  round 1.905 hole 0.8: 2(2.5,0)
  silkscreen extent -3.5,-1.27 3.48,1.27, body extent -3.54,-1.3 3.54,1.3, height 9.14
"Cer. pitch 5.08mm height 6.00mm" [mm] "Radial ceramic capacitor pitch 5.08mm height 6.0mm"
  round 0.508 on Mech15: 0(0,0)
  rrect25% 1.905x1.905 hole 0.8: 1(-2.54,0)
  round 1.905 hole 0.8: 2(2.54,0)
  silkscreen extent -3.83,-1.27 3.81,1.27, body extent -3.53,-0.9 3.47,0.8, height 7.5
DO-35-0.3mil [mm] "Diode, Axial; Body 3.8 x 1.9 mm (LxDia. max), Lead Dia. 0.53 mm (max)"
  round 1.5 hole 0.9: 1(0,0)
  rect 1.5x1.5 hole 0.9: 2(7.62,0)
  silkscreen extent 1.8,-0.95 5.8,0.95, body extent -0.26,-1.02 7.88,1, height 2.21
"FIUBA LOGO" [mm] "FIUBA LOGO"
  silkscreen extent -9.07,-14.1 8.31,20.8
"Jumper 200mil 1 pin" [mm]
  round 1.2 hole 0.7: 1(0,0)
  silkscreen extent -1.27,-1.27 1.27,1.27, body extent -1.22,-1.27 1.22,1.27, height 10.2
"Jumper 200mil 2 pin" [mm]
  round 1.2 hole 0.7: 1(-2.54,0) 2(0,0)
  silkscreen extent -3.81,-1.27 1.27,1.27, body extent -3.81,-1.17 1.27,1.27, height 10.2
"Jumper 200mil 3 pin" [mm]
  round 1.2 hole 0.7: 1(-2.54,0) 2(0,0) 3(2.54,0)
  silkscreen extent -3.81,-1.27 3.81,1.27, body extent -3.81,-1.22 3.81,1.22, height 9.97
LED_5MM_GREEN [mil] "LED 5mm GREEN"
  oval 60x70 hole 39.37: A(-50,0)
  oct 60x70 hole 39.37: K(50,0)
  silkscreen extent -125,-125 100,125, body extent -122,-119 94,117, height 352
LED_5MM_YELLOW [mil] "LED 5mm YELLOW"
  oval 60x70 hole 39.37: A(-50,0)
  oct 60x70 hole 39.37: K(50,0)
  silkscreen extent -125,-125 100,125, body extent -118,-118 98,118, height 352
ONSC-TO-220-2-221B-04 [mm] "FM, 2-Leads, Body 10.3x4.85mm, Pitch 5.08mm"
  rect 1.7x1.7 hole 1.1: 1(0,2.54)
  round 1.7 hole 1.1: 3(0,-2.54)
  silkscreen extent -2.21,-5.15 2.7,5.92, body extent -2.18,-5.15 2.67,5.15, height 19.05
POT_3296W [mil] "3296 - 3/8 ” Square Trimpot® Trimming Potentiometer"
  round 52 / inner round 60 / far side round 52 hole 32: 1(101,0) 2(1,0)
  rect 52x52 / inner round 60 / far side rect 52x52 hole 32: 3(-99,0)
  silkscreen extent -192,-123 193,100, body extent -188,-96 187,94, height 454
RES_SM0603_YAGEORC_N [mm] "Resistor, Yageo RC_L, SM0603, IPC Medium Density"
  rect 0.7x0.9 smd: 1(-0.827,0) 2(0.827,0)
  body extent -0.85,-0.45 0.85,0.45, height 0.55
RES_SM0805_YAGEORC_N [mm] "Resistor, Yageo RC_L, SM0805, IPC Medium Density"
  rect 1x1.35 smd: 1(-1.027,0) 2(1.027,0)
  silkscreen extent -0.1,-0.58 0.1,0.58, body extent -1.05,-0.67 1.05,0.68, height 0.6
SOD-123 [mm] "SMD CASE SOD-123"
  rect 1.25x0.75 smd: 1(-1.65,0) 2(1.65,0)
  silkscreen extent -2.27,-0.77 1.35,0.78, body extent -1.87,-0.85 1.87,0.85, height 1.2
SOIC-16L [mm]
  rect 1.55x0.65 smd: 1(-2.725,4.445) 2(-2.725,3.175) 3(-2.725,1.905) 4(-2.725,0.635) 5(-2.725,-0.635) 6(-2.725,-1.905) 7(-2.725,-3.175) 8(-2.725,-4.445) 9(2.725,-4.445) 10(2.725,-3.175) 11(2.725,-1.905) 12(2.725,-0.635) 13(2.725,0.635) 14(2.725,1.905) 15(2.725,3.175) 16(2.725,4.445)
  silkscreen extent -3.5,-4.95 1.6,5.12, body extent -3,-4.95 3,4.95, height 1.75
SOT-23 [mm]
  rect 1x0.7 smd: 1(-1.2,0.95) 2(-1.2,-0.95) 3(1.2,0)
  silkscreen extent -1.7,-1.46 0.35,1.55, body extent -1.42,-1.5 1.42,1.5, height 1.1
"Tantalum Electrolytic 4.5mmx8.0mmx0.254mm-CLEAN" [mm] "Polarized capacitors, Tantalum Electrolytic Capacitors, 2-Leads, Body 4.5mmx8.0mmx0.254mm"
  rect 1.5x1.5 hole 0.8: 1(-1.27,0)
  round 1.5 hole 0.8: 2(1.27,0)
  silkscreen extent -2.25,-2.25 2.25,2.25, body extent -2.17,-2.17 2.17,2.17, height 8.5
"TE 8PCV-02-006" [mm] "Assembly, Dual Barrier Strip"
  oval 4x5 hole 1.829: 1(-5.555,-3.85) 2(5.555,-3.85)
  silkscreen extent -12.07,-9.05 12.1,11.25, body extent -12,-9.06 12.08,11.26, height 19.58
TE-C-282822-2-C-PLUGGED [mm] "5.00mm - Open Vertical PCB Header - 02p"
  rect 2.1x2.1 hole 1.6: 1(-2.5,0)
  round 2.1 hole 1.6: 2(2.5,0)
  silkscreen extent -5.03,-3.9 4.98,11.65, body extent -5.03,-3.87 4.98,11.63, height 18.43
TO-92-1 [mm] "TO, Flat Index; 3 In-Line, Axial Leads; Body Dia. 5mm; Leads 0.55 x 0.50 mm (max)"
  rect 2x1 hole 0.75: 1(0,-1.27)
  oval 2x1 hole 0.75: 2(0,0) 3(0,1.27)
  silkscreen extent -2.6,-3.02 1.61,2.6, body extent -2.49,-2.51 1.38,2.48, height 6.47
TO-225 [mm] "TO-225 FULL PACKAGE"
  rect 1.95x1.95 hole 1.3: 1(0,0)
  round 1.95 hole 1.3: 2(2.29,0) 3(4.58,0)
  silkscreen extent -1.61,-1.27 6.19,1.27, body extent -1.46,-1.21 6.04,1.21, height 12.5
TO-264-3 [mm]
  rect 2.49x2.49 hole 1.66: 1(-5.45,0)
  round 2.49 hole 1.66: 2(0,0) 3(5.45,0)
  silkscreen extent -11.15,-1.64 10.1,3.56, body extent -10.1,-1.52 10.1,9.53, height 28.5
TP-THT-MULTI [mm] "Thru-hole test point loop"
  round 3 hole 1.6: 1(0,0)
  silkscreen extent -1.65,-1.65 1.65,1.65, body extent -1.6,-1.6 1.6,1.59, height 8.09